# Altium PCB 智能锁实践教学平台.PcbDoc (part 1 of 3)
Units mil, origin at the board's own origin, x right, y up, seen from the top; angles counter-clockwise.
Board outline 8937.01 x 5984.25 mil, 2 copper layers (Top Layer, Bottom Layer); 219 components, 185 nets, 950 pads, 283 vias.
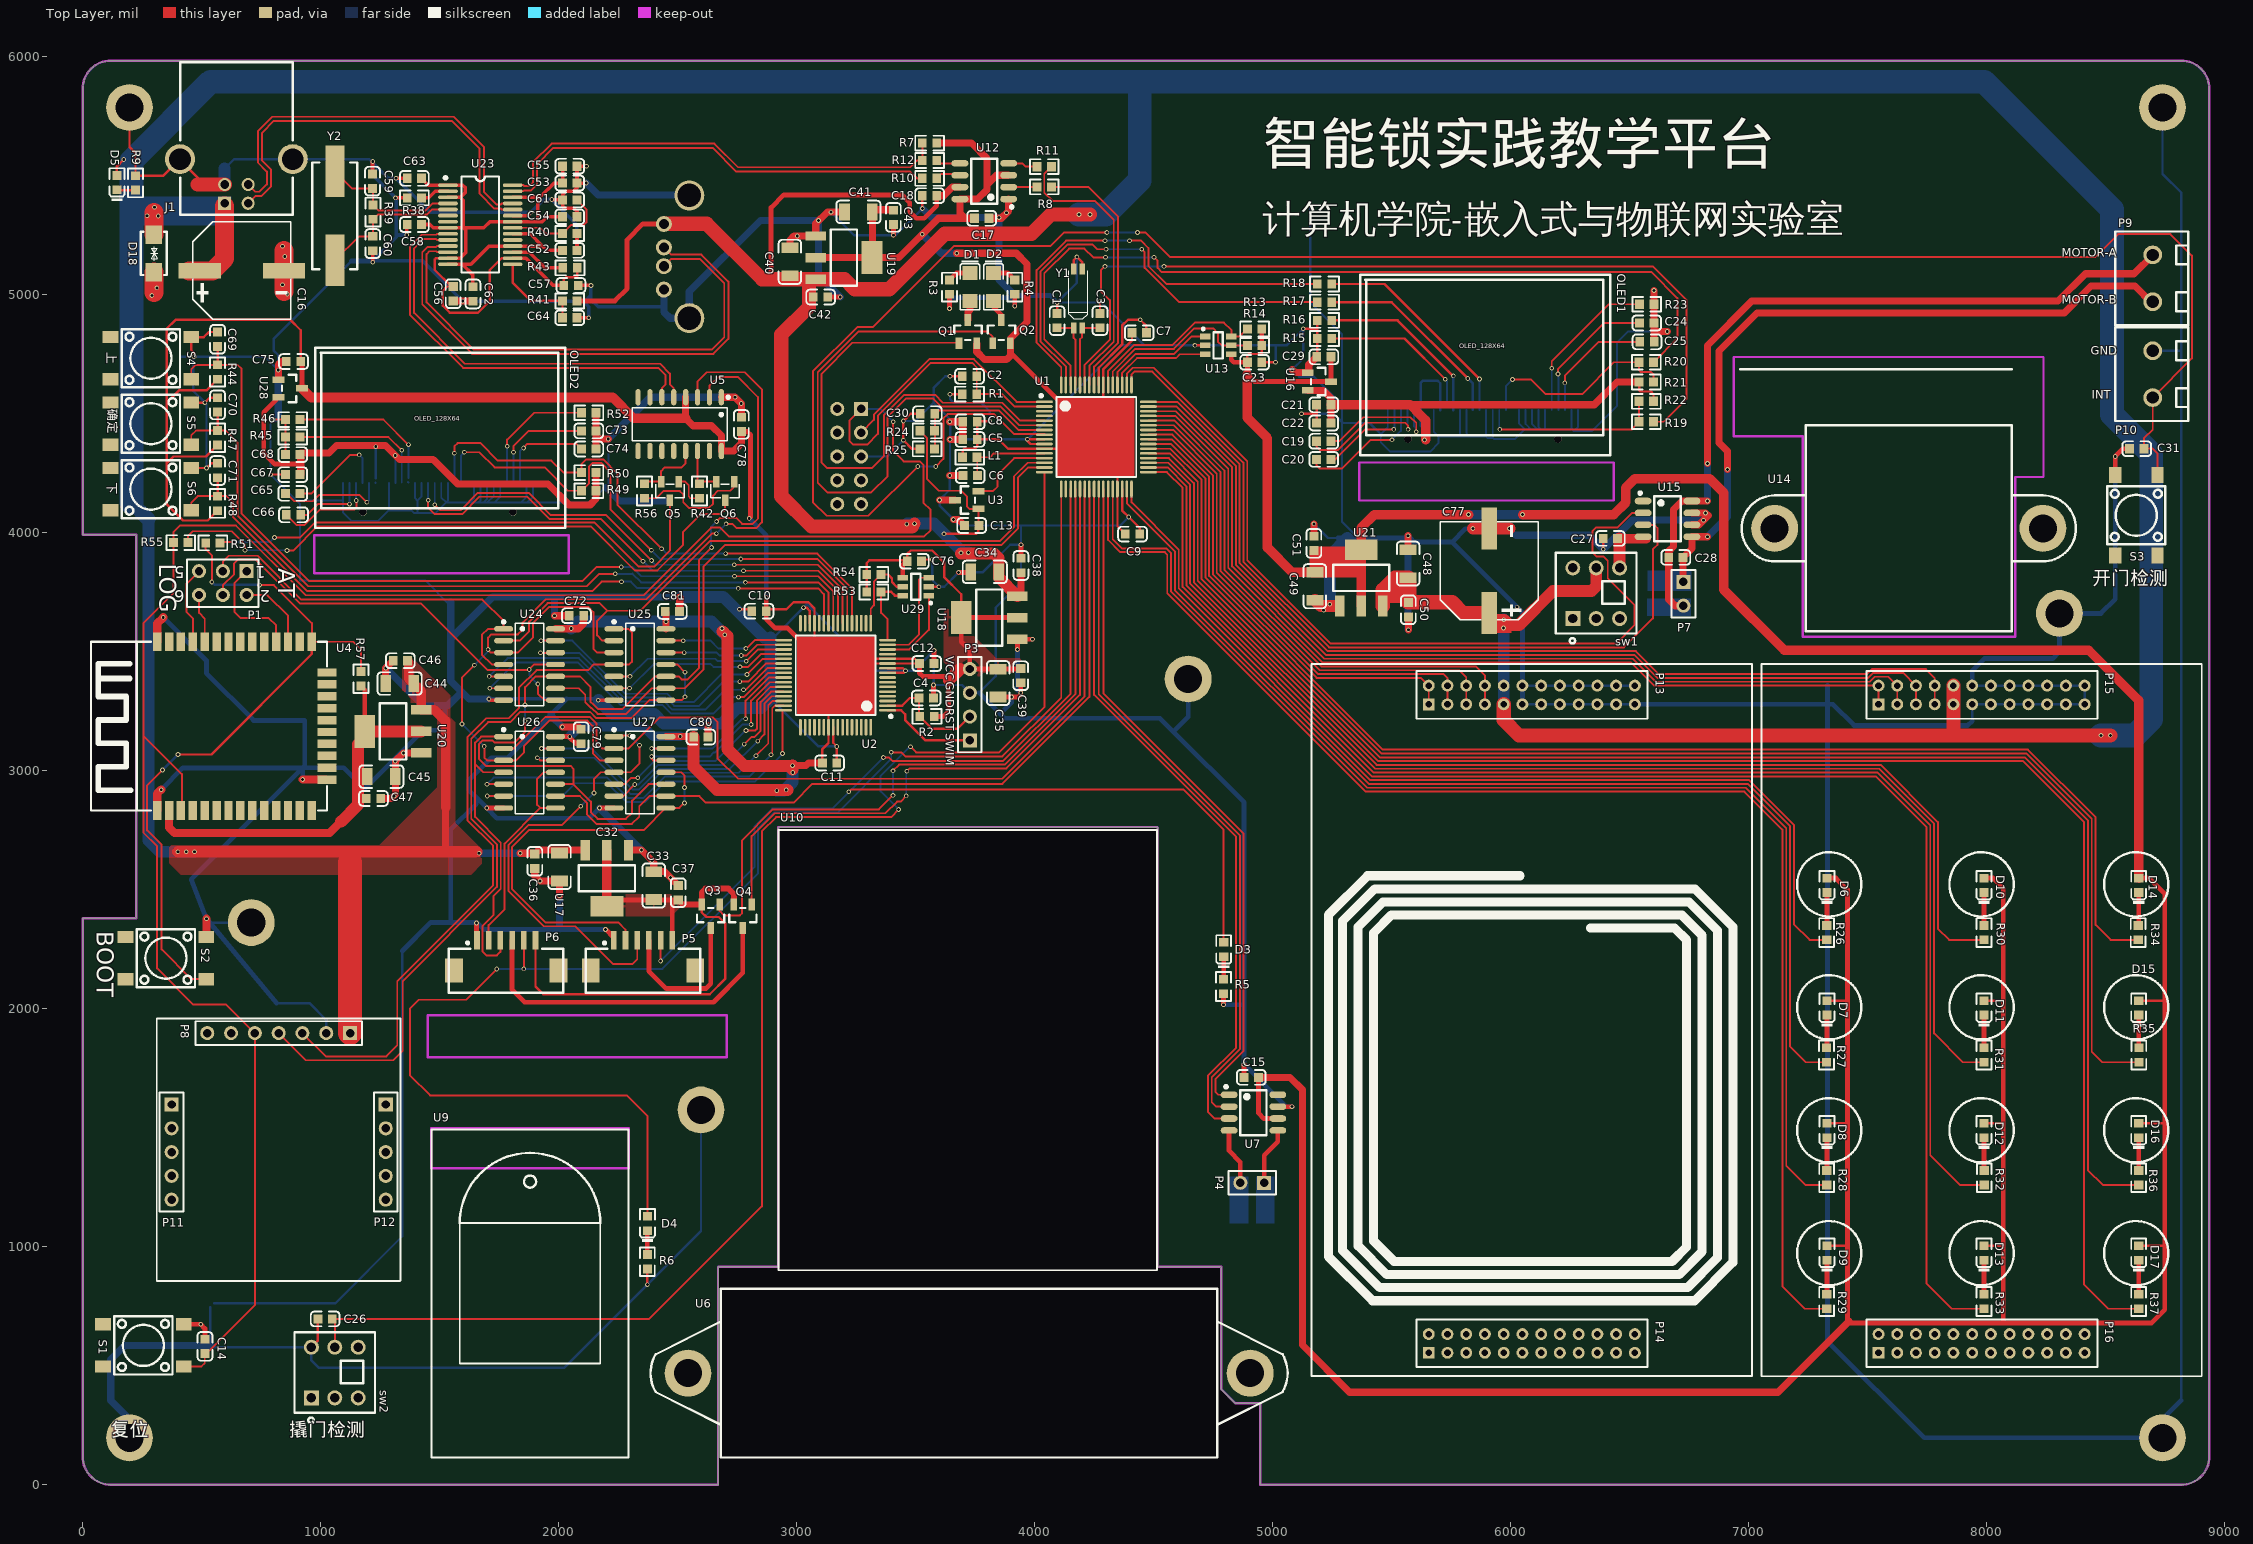
[diagram p0: Top Layer view]
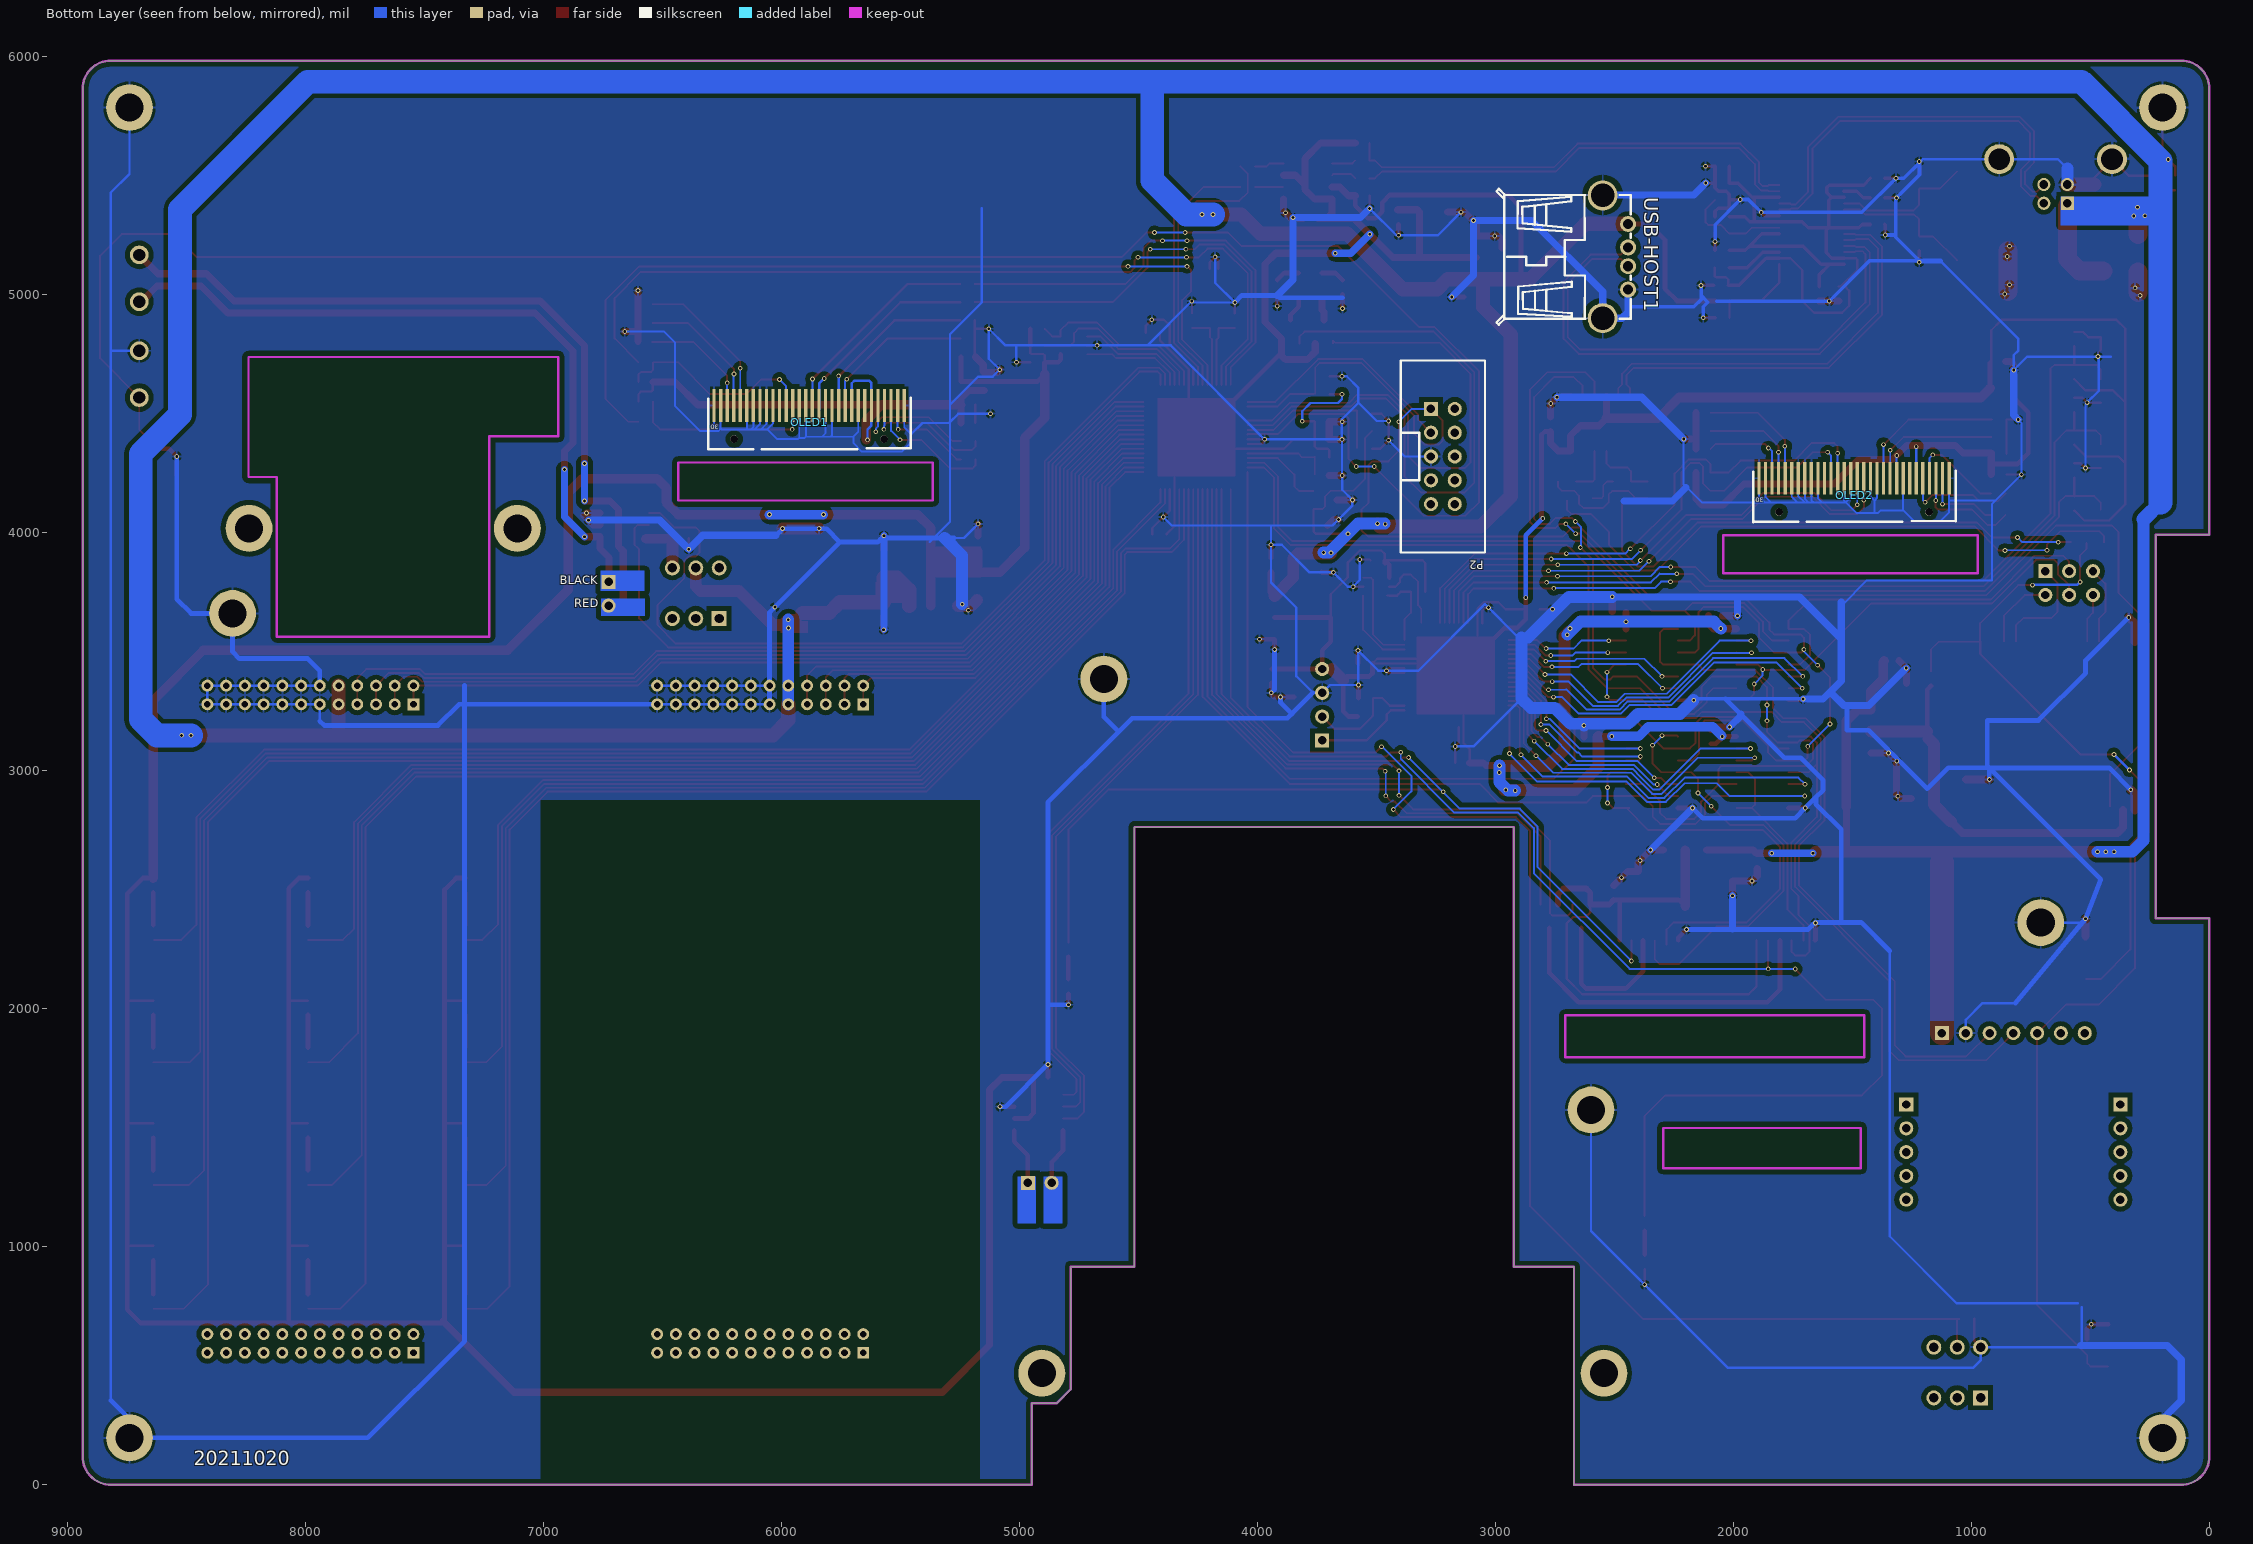
[diagram p1: Bottom Layer view, seen from below]
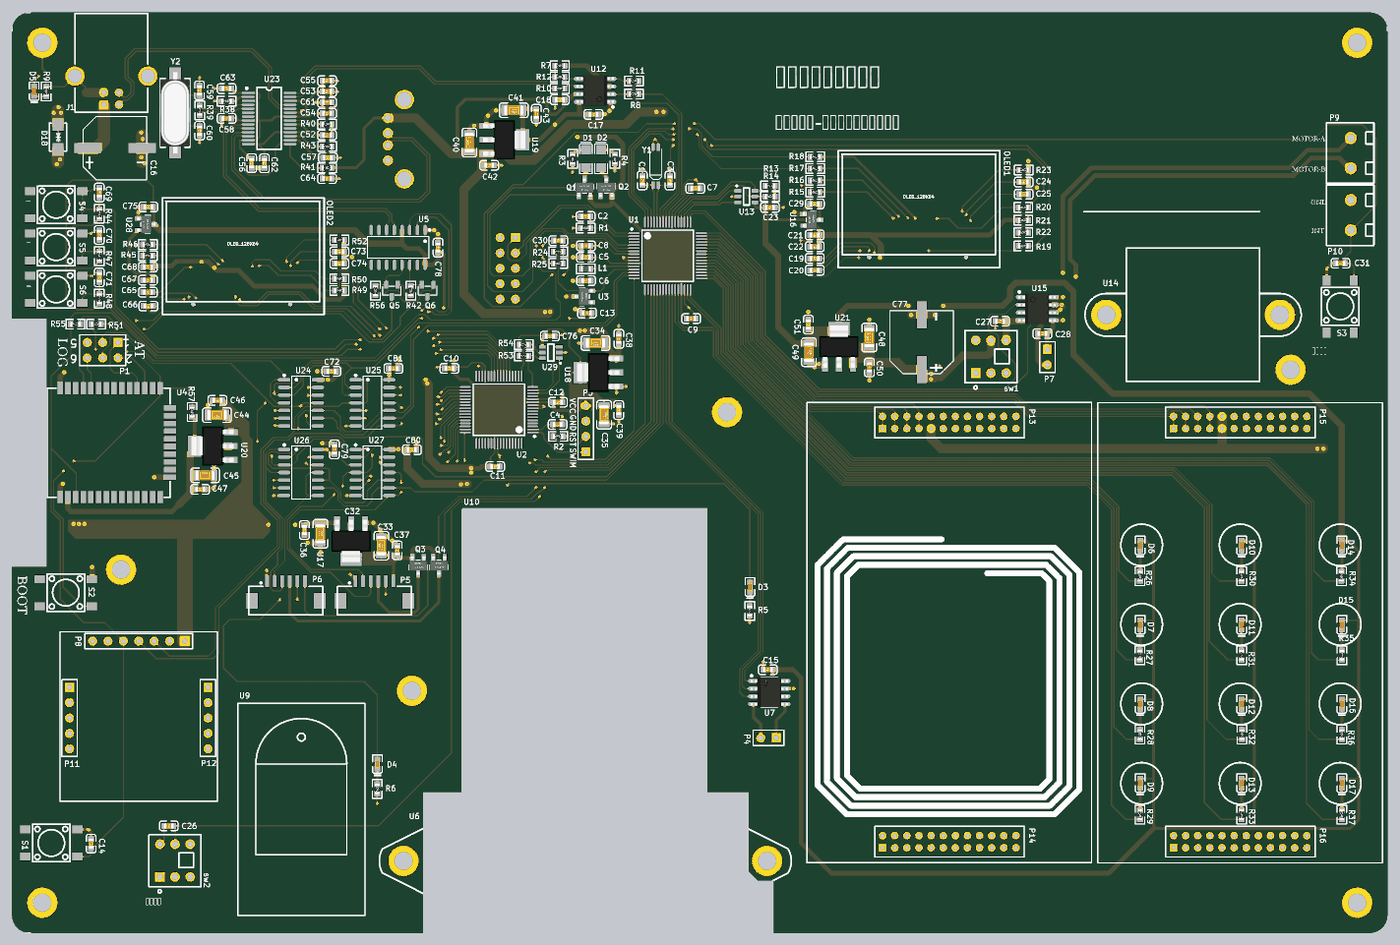
[diagram p4: 3D render of the assembled board from above, using the file's embedded part models]

## Layer stack, top to bottom
Top Solder: solder mask 0.4, Solder Resist, Dk 3.5
Top Layer: signal copper 1.4
Dielectric 1: dielectric 12.6, FR-4, Dk 4.8
Bottom Layer: signal copper 1.4
Bottom Solder: solder mask 0.4, Solder Resist, Dk 3.5

## Board outline
0,118.11 ccw(c118.11,118.11) 118.11,0 2670,0 2670,915.74 2923,915.74 2923,2763.74 4517,2763.74 4517,915.74 4785,915.74 4785,401.74 4845,341.74 4949,341.74 4949,0 8818.9,0 ccw(c8818.9,118.11) 8937.01,118.11 8937.01,5866.14 ccw(c8818.9,5866.14) 8818.9,5984.25 118.11,5984.25 ccw(c118.11,5866.14) 0,5866.14 0,3992.74 226,3992.74 226,2379.74 0,2379.74

## Design rules (kind name [scope] priority, off if disabled: settings)
Clearance [All] p1: gap=8
DiffPairsRouting [All] p1: maxlimit=10 minlimit=10 mostfreqgap=10 toplayer_minwidth=8 toplayer_maxwidth=15 toplayer_prefwidth=15 bottomlayer_minwidth=8 bottomlayer_maxwidth=15 bottomlayer_prefwidth=15 maxuncoupledlength=500
PolygonConnect [All] p1: connectstyle=Relief reliefconductorwidth=10 reliefentries=4 polygonreliefangle="90 Angle" airgapwidth=10
RoutingVias [All] p1: holewidth=28 width=50 viastyle="Through Hole" minholewidth=11.81 minwidth=19.68 maxholewidth=28 maxwidth=50
SolderMaskExpansion [All] p1: expansion=4
Width [All] p1: maxlimit=100 minlimit=8 preferedwidth=10 minimp=50.000000 maximp=50.000000 favimp=50.000000
29 further rules are at their usual default settings.

## Classes and differential pairs
component class monitor: C4 C10 C11 C12 C65 C66 C67 C68 C69 C70 C71 C72 C73 C74 C75 C76 C78 C79 C80 C81 OLED2 P1 P3 Q5 Q6 R2 R42 R44 R45 R46 R47 R48 R49 R50 R51 R52 R53 R54 R55 R56 S4 S5 S6 U2 U5 U24 U25 U26 U27 U28 U29
component class touch: D6 D7 D8 D9 D10 D11 D12 D13 D14 D15 D16 D17 P15 P16 R26 R27 R28 R29 R30 R31 R32 R33 R34 R35 R36 R37
component class usb: C52 C53 C54 C55 C56 C57 C58 C59 C60 C61 C62 C63 C64 R38 R39 R40 R41 R43 U23 USB-HOST1 Y2
component class power: C32 C33 C34 C35 C36 C37 C38 C39 C40 C41 C42 C43 C44 C45 C46 C47 C48 C49 C50 C51 U17 U18 U19 U20 U21
component class interface: C16 C17 C18 C19 C20 C21 C22 C23 C24 C25 C26 C27 C28 C29 C30 C31 C77 D5 D18 J1 OLED1 P7 P9 P10 R7 R8 R9 R10 R11 R12 R13 R14 R15 R16 R17 R18 R19 R20 R21 R22 R23 R24 R25 S3 sw1 sw2 U12 U13 U14 U15 U16
component class device: C15 D1 D2 D3 D4 P4 P5 P6 P8 P11 P12 P13 P14 Q1 Q2 Q3 Q4 R3 R4 R5 R6 R57 S2 U4 U6 U7 U9 U10
component class core: C1 C2 C3 C5 C6 C7 C8 C9 C13 C14 L1 P2 R1 S1 U1 U3 Y1
differential pair LOG_USB: +LOG_USB_P -LOG_USB_N
differential pair MONITOR_USB: +MONITOR_USB_P -MONITOR_USB_N
differential pair USB: +USB_P -USB_N
differential pair SWD_USB: +SWD_USB_P -SWD_USB_N

## Components (designator, comment, footprint, x,y, rotation, side; value= is the part's Value field where it differs from the comment)
C1 "12pF" 0603_C 4095,4891.74 r270 top
C2 "1uF" 0603_C 3727,4657.74 r0 top
C3 "12pF" 0603_C 4275,4891.74 r270 top
C4 "0.1uF" 0603_C 3545,3305.74 r180 top
C5 "0.1uF" 0603_C 3729,4392.74 r0 top
C6 "0.1uF" 0603_C 3730,4240.74 r0 top
C7 "0.1uF" 0603_C 4440,4840.74 r180 top
C8 "0.1uF" 0603_C 3729,4466.74 r0 top
C9 "0.1uF" 0603_C 4412,3994.74 r180 top
C10 "0.1uF" 0603_C 2842,3670.74 r0 top
C11 "0.1uF" 0603_C 3139,3032.74 r180 top
C12 "0.1uF" 0603_C 3547,3450.74 r180 top
C13 "0.1uF" 0603_C 3736,4030.74 r0 top
C14 "0.1uF" 0603_C 514,581.3 r90 top
C15 "0.1uF" 0603_C 4911,1711.74 r180 top
C16 "470uF" CAP-SMD_BD10.0-L10.3-W10.3-FD 669,5102.3 r0 top
C17 "0.1uF" 0603_C 3778,5321.74 r180 top
C18 "0.1uF" 0603_C 3559,5416.74 r180 top
C19 "1uF" 0603_C 5215.68,4385.17 r0 top
C20 "1uF" 0603_C 5215.69,4308.74 r180 top
C21 "1uF" 0603_C 5215.68,4538.03 r180 top
C22 "1uF" 0603_C 5215.68,4461.6 r180 top
C23 "0.1uF" 0603_C 4925,4716.74 r180 top
C24 "4.7uF" 0603_C 6573,4881.74 r180 top
C25 "2.2uF" 0603_C 6574,4802.74 r180 top
C26 "0.1uF" 0603_C 1019,696.74 r0 top
C27 "4.7uF" 0603_C 6420,3976.74 r0 top
C28 "0.1uF" 0603_C 6695,3896.74 r180 top
C29 "1uF" 0603_C 5216,4739.74 r180 top
C30 "0.1uF" 0603_C 3550,4500.74 r0 top
C31 "0.1uF" 0603_C 8632,4353.74 r180 top
C32 "10uF" 1206_C 2004,2595.74 r270 top
C33 "10uF" 1206_C 2400,2517.74 r90 top
C34 "10uF" 1206_C 3791,3835.74 r180 top
C35 "10uF" 1206_C 3847,3368.74 r270 top
C36 "0.1uF" 0603_C 1900,2619.74 r270 top
C37 "0.1uF" 0603_C 2503,2487.74 r90 top
C38 "0.1uF" 0603_C 3943,3862.74 r90 top
C39 "0.1uF" 0603_C 3942,3399.74 r270 top
C40 "10uF" 1206_C 2972,5138.74 r90 top
C41 "10uF" 1206_C 3260,5348.74 r180 top
C42 "0.1uF" 0603_C 3101,4990.74 r0 top
C43 "0.1uF" 0603_C 3407,5325.74 r270 top
C44 "10uF" 1206_C 1332,3366.74 r180 top
C45 "10uF" 1206_C 1255,2975.74 r0 top
C46 "0.1uF" 0603_C 1335,3462.74 r180 top
C47 "0.1uF" 0603_C 1222,2883.74 r0 top
C48 "10uF" 1206_C 5570,3870.74 r90 top
C49 "10uF" 1206_C 5178,3775.74 r270 top
C50 "0.1uF" 0603_C 5571,3676.74 r270 top
C51 "0.1uF" 0603_C 5174,3955.74 r90 top
C52 "0.1uF" 0603_C 2047,5186.85 r180 top
C53 "0.1uF" 0603_C 2047,5469.96 r180 top
C54 "0.1uF" 0603_C 2047,5328.41 r180 top
C55 "0.1uF" 0603_C 2047,5540.74 r180 top
C56 "0.1uF" 0603_C 1557,5004.74 r90 top
C57 "0.1uF" 0603_C 2052,5039.74 r180 top
C58 "0.1uF" 0603_C 1394,5295.74 r0 top
C59 "18pF" 0603_C 1218,5477.74 r90 top
C60 "18pF" 0603_C 1219,5215.74 r270 top
C61 "1uF" 0603_C 2047,5399.18 r0 top
C62 "1uF" 0603_C 1640,5003.74 r90 top
C63 "4.7uF" 0603_C 1394,5489.74 r0 top
C64 "2.2uF" 0603_C 2047,4903.74 r180 top
C65 "1uF" 0603_C 883,4165.74 r180 top
C66 "1uF" 0603_C 886,4075.74 r180 top
C67 "1uF" 0603_C 883,4244.74 r180 top
C68 "1uF" 0603_C 883,4328.74 r180 top
C69 "0.1uF" 0603_C 567,4813.74 r270 top
C70 "0.1uF" 0603_C 567,4537.74 r270 top
C71 "0.1uF" 0603_C 567,4261.74 r270 top
C72 "0.1uF" 0603_C 2075,3651.74 r0 top
C73 "4.7uF" 0603_C 2127,4428.49 r180 top
C74 "2.2uF" 0603_C 2127,4352.24 r180 top
C75 "1uF" 0603_C 886,4719.74 r180 top
C76 "0.1uF" 0603_C 3495,3880.74 r180 top
C77 "470uF" CAP-SMD_BD10.0-L10.3-W10.3-FD 5911,3840.74 r90 top
C78 "0.1uF" 0603_C 2768,4455.74 r270 top
C79 "0.1uF" 0603_C 2094.68,3143.74 r270 top
C80 "0.1uF" 0603_C 2598,3141.74 r180 top
C81 "0.1uF" 0603_C 2478,3669.74 r180 top
D1 "红色LED" LED_1206 3735.11,5032.49 r270 top
D2 "绿色LED" LED_1206 3833.11,5032.49 r270 top
D3 "LED" 0603_LED_S1 4795,2248.74 r90 top
D4 "LED" 0603_LED_S1 2374,1097.74 r90 top
D5 "LED" 0603_LED_S1 144,5471.74 r90 top
D6 "LED" 0603_LED_S1 7330,2518.74 r90 top
D7 "LED" 0603_LED_S1 7330,2003.74 r90 top
D8 "LED" 0603_LED_S1 7330,1488.74 r90 top
D9 "LED" 0603_LED_S1 7330,973.74 r90 top
D10 "LED" 0603_LED_S1 7990,2518.74 r90 top
D11 "LED" 0603_LED_S1 7990,2003.74 r90 top
D12 "LED" 0603_LED_S1 7990,1488.74 r90 top
D13 "LED" 0603_LED_S1 7990,973.74 r90 top
D14 "LED" 0603_LED_S1 8640,2518.74 r90 top
D15 "LED" 0603_LED_S1 8640,2003.74 r90 top
D16 "LED" 0603_LED_S1 8640,1488.74 r90 top
D17 "LED" 0603_LED_S1 8640,973.74 r90 top
D18 "SMAJ33CA-TP" SMA_L4.4-W2.6-LS5.0-BI 299,5174.3 r90 top
J1 "USB接口" USB_D 641,5566.22 r90 top
L1 "10uH" 0603_L 3728,4317.74 r0 top
OLED1 "QG-2864KSWEG01" OLED-SMD_QG-2864KSWEG01-FLOD 5874,4575.74 r0 top
OLED2 "QG-2864KSWEG01" OLED-SMD_QG-2864KSWEG01-FLOD 1483,4269.74 r0 top
P1 "Header 3X2" HDR2X3 689,3838.74 r180 top
P2 "Header 5X2" 2.54-2*5P简牛 3221,4320.74 r270 bottom
P3 "Header 4" HDR1X4 3728,3127.74 r90 top
P4 "Header 2" HDR1X2 4965,1268.74 r180 top
P5 "AFC12-S06DCC-00" CONN-SMD_6PIN_AFC12-S06DCC-00_PITCH1.25-L 2355,2216.74 r0 top
P6 "AFC12-S06DCC-00" CONN-SMD_6PIN_AFC12-S06DCC-00_PITCH1.25-L 1780,2216.74 r0 top
P7 "Header 2" HDR1X2 6727,3793.74 r270 top
P8 "Header 7" HDR1X7 1123.61,1897.74 r180 top
P9 "Header 2" CONN-TH_WJ126V-5.0-2P 8699,4666.74 r180 top
P10 "Header 2" CONN-TH_WJ126V-5.0-2P 8699,5069.74 r180 top
P11 "Header 5" HDR1X5 373.58,1597.74 r270 top
P12 "Header 5" HDR1X5 1273.58,1597.74 r270 top
P13 "Header 12X2" "2.0mm 2*12P直排母" 5656.73,3279.37 r0 top
P14 "Header 12X2" "2.0mm 2*12P直排母" 5656.73,554.37 r0 top
P15 "Header 12X2" "2.0mm 2*12P直排母" 7546.73,3279.37 r0 top
P16 "Header 12X2" "2.0mm 2*12P直排母" 7546.73,554.37 r0 top
Q1 "KO3415" SOT-23(SOT-23-3) 3720.11,4845.49 r270 top
Q2 "KO3415" SOT-23(SOT-23-3) 3861.11,4845.49 r270 top
Q3 "KO3415" SOT-23(SOT-23-3) 2639,2388.74 r90 top
Q4 "KO3415" SOT-23(SOT-23-3) 2774,2388.74 r90 top
Q5 "SS8050_C545535" SOT-23-3_L2.9-W1.3-P1.90-LS2.4-BR 2468,4175.74 r90 top
Q6 "SS8050_C545535" SOT-23-3_L2.9-W1.3-P1.90-LS2.4-BR 2700,4175.74 r90 top
R1 "10K" 0603_R 3727,4582.74 r0 top
R2 "10K" 0603_R 3548,3228.74 r0 top
R3 "1K" 0603_R 3643.11,5032.49 r90 top
R4 "1K" 0603_R 3917.11,5032.49 r90 top
R5 "4.7K" 0603_R 4794,2093.74 r90 top